# EAGLE board Mk4 Final Panel 8up 4x2 (EAGLE 9.0.1), part 12 of 23
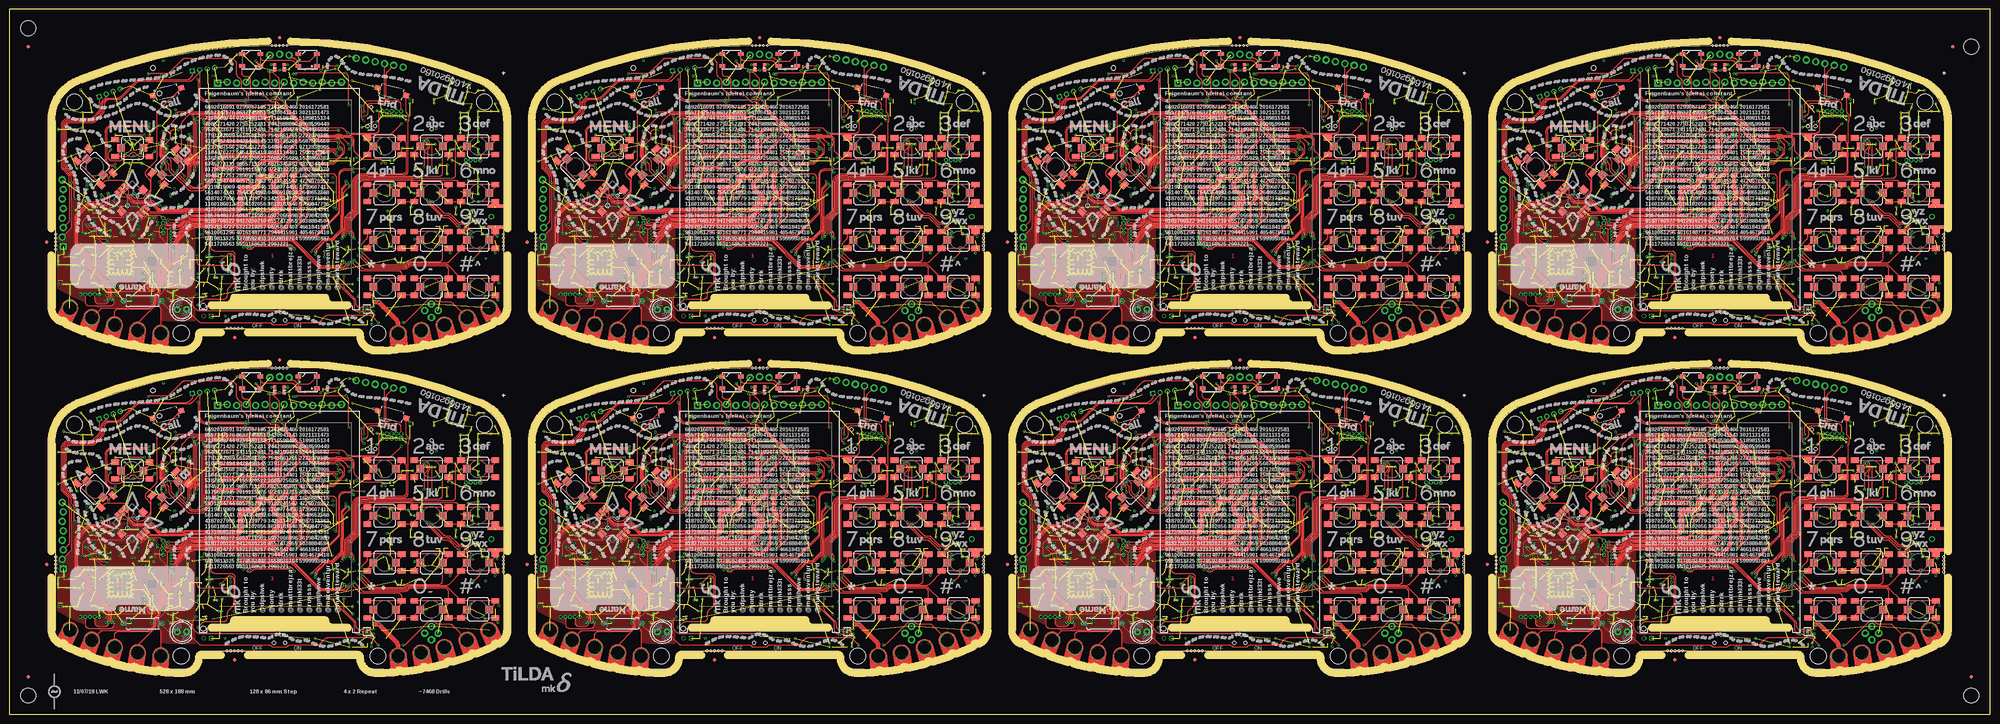
[diagram p0: board, top side]
## Tracks (layer width: path | path; a pad name or v marks a point on that pad's centre or on a via) (continued)
GND4  (via drill 0.3)  (433 unrouted) (continued)
  Top 0.3: S91.1 363.95,38.95 S91.A1 | S87.A1 351.45,38.95 S87.1 v353,39 | S88.A1 351.45,26 351.7,25.75 v353,25.75 S88.1 | S96.1 376.45,26.45 S96.A1 | S95.1 385.55,42.05 S95.A1 | 376.45,63.5 376.45,63.95 S93.1 v379.5,65.5 | 376.45,63.5 S93.A1 | S89.A1 363.95,63.95 S89.1 366,66 v367,66 | S85.A1 351.45,63.95 S85.1 354.25,65.5 v354.5,65.25 | S86.A1 351.45,51.45 S86.1 v354.5,53 | 363.95,51 363.95,51.45 S90.1 v364.05,53 | 363.95,51 S90.A1 | S85.A2 360.55,64.8 v360.75,65 | 376.2,63.25 376.45,63.5 | S94.A2 v381,50.75 | v379.5,53 S94.1 376.45,51.45 S94.A1 S90.A2 | 360.5,38.3 S87.A2 358.5,38.25 v358,38.75 | S91.1 365,41 | S96.A2 385.5,25.75 385.5,25.25 v386.25,24.5 | S92.A2 S96.A1 | v367,28 S92.1 363.95,26.45 S92.A1 S88.A2 | S86.A2 363.7,50.75 363.95,51 | S101.1 353.49,81.01 v353,81.5 | LED27.C v328.02,85.75 LED28.C | LED25.3 317.95,90 v316.75,90 | S93.A2 381.91,63.25 arc-45 381.21,63.54 v381,63.75 | 283.61,58.39 S98.A1 282.5,57.27 v282.5,57 281.62,57.88 S98.1 | S98.A2 277.57,65.21 arc-45 278.28,65.5 v278.5,65.5 | S96.A1 v378,25.75 | S89.A2 373.05,62.7 v374,61.75 | S91.1 365.25,40.75 v364,40.75 | S91.A2 373.5,37.8 v373.5,37 | S99.A2 v284.25,68.5 | S99.1 293.35,66.55 S99.A1 v293.35,68.5 | S100.1 294.5,78.72 v294.5,77.75 | S97.A1 296.81,55.19 v296,56 296.68,56.68 S97.1 | v302.5,60.5 303.61,61.61 S97.A2 | LED26.3 333.05,89.36 arc45 333.34,88.66 v333.4,88.6 | S95.A2 377.5,43.8 v377.5,44 | S95.A1 385.55,41.95 v386,41.5 | S95.A1 385.54,42.77 J49.G@4
  Top 0.4: S94.A2 385.54,50.73 J49.G@3
  GND@3 0.4: v290.45,40.85 287.8,38.2 v287.8,37.85 | v285.5,43.5 284.75,42.75 284.75,38.6 v285.5,37.85 | v283,43.1 283.75,42.35 283.75,38.4 v284.3,37.85
  Bottom 0.15: J41.32 324.75,50.25 | J41.31 325.25,50 | J41.30 325.75,50 | J41.29 326.25,50 | J41.28 326.75,50 | J41.27 327.25,50 | J41.26 327.75,50 | J41.25 328.25,50 | J41.24 328.75,50 | J41.23 329.25,50 | J41.22 329.75,50 | J41.21 330.25,50 | J41.20 330.75,50 | J41.19 331.25,50 | J41.18 331.75,50 | J41.17 332.25,50 | J41.16 332.75,50 | J41.15 333.25,50 | J41.14 333.75,50 | J41.13 334.25,50 | J41.12 334.75,50 | J41.11 335.25,50 | IC74.58 v321.6,68.8 | IC74.55 v321.6,67.6 | IC77.3 343.05,86 v342.85,86.2 | ANT10.3 374.79,83.9 v374.15,83.9 | v373.7,82.75 373.8,82.65 373.94,82.65 373.84,82.75 v373.7,82.75 | ANT10.2 374.05,82.4 v373.7,82.75 | ANT10.4 378.28,82.2 v378.75,82.2 | IC83.PAD v286.1,35.1 | IC83.PAD v284.9,35.1 | IC83.PAD v284.9,33.9 | IC83.PAD v286.1,33.9 | v284.9,36.3 285.5,36.9 v285.5,37.85 | v284.3,37.85 284.3,36.9 v283.7,36.3 283.75,36.35 | v287.3,36.3 287.3,37.35 v287.8,37.85 | v343.5,30.75 C534.2 344,31.5 arc90 344.5,32 344.5,32.5 arc90 344,33 IC86.2 343.46,33 arc45 343.1,32.85 342.9,32.65 arc-45 342.54,32.5 IC86.4 | C536.2 352.45,22.5 | v369.25,78 C485.2 | C488.2 v369.25,77 | C486.2 v362.75,78 | C484.2 v362.75,77 | v286.55,67.4 286.25,67.7 R389.2
  Bottom 0.2: C447.1 330.6,55.85 IC74.10 | IC74.17 327.8,56.01 arc-45 327.65,55.65 C446.1 v327.5,54.75 | IC74.48 319.46,64.8 arc-45 C444.1 | IC74.114 336.74,64.4 arc45 337.44,64.69 C443.1 | IC74.80 327.8,74.05 327.98,74.22 | X20.4 275.88,33.42 275.7,33.6 v274.9,33.6 | X20.2 277.73,29.07 v277.8,29 | IC85.23 343.8,38.75 arc-45 343.66,38.81 343.25,39.22 arc-90 343.25,39.25 | 343.25,39.25 v343.25,39.5 | IC85.24 343.25,39.25 | IC85.18 345,35.25 v344.75,35 | IC85.9 v349.25,38.25 | IC78.17 308.5,33.5 v308,33 IC78.18 | J44.GND4 379,28.05 | 352.45,22.5 arc45 v353.05,22.75 | v293.3,69.5 C538.2 | IC80.4 349.98,69.72 C503.1
  Bottom 0.25: J41.50 315.75,49.45 v316.25,49.95 | J41.49 v316.25,49.95 | J41.48 316.75,49.45 v316.25,49.95 | J41.43 319.25,50 | J41.6 v337.75,47.5 | v330,52.75 330,53.62 C448.1 330.25,54.12 C447.1 | v318,65.1 C444.1 | v338.25,64.75 C443.1 | v328,75 C445.1 327.98,74.22 | C442.1 C450.1 v329,76.45 | v317,69.25 R321.2 | C449.1 327.05,76.25 v327.65,75.65 | v337.5,20.25 S103.1 | v313.5,20.25 S104.1 | C453.1 v324.7,75 | C452.1 v320.1,75 | v333.5,76.45 C451.1 | R383.2 v287.25,27.75 | v289.35,65.95 IC82.PAD v288.8,65.5 | C468.2 300.88,27.23 | v347.45,83 C439.1 | v330.5,86 C437.1
  Bottom 0.3: 339.45,86.3 v340.15,85.6 | v294,39 R382.2 | v276.25,42.25 C511.1 | v278.5,43 278.62,42.88 C516.2 | v358.5,55.25 C494.2 | v357.5,55.25 C491.2 | v358.5,61.75 C490.2 | C492.2 v357.5,61.75 | IC75.8 362.1,54.65 v362.25,54.5 | R356.2 v356.75,52.25 | R348.2 v356.75,46.25 | R355.2 v356.75,48.25 | IC75.13 364.1,60.65 v364.25,60.5 | IC75.21 372.9,60.65 v372.75,60.5 | Q19.2 356.65,42.15 R346.2 v355.75,42 | C503.1 v350,70.5 | v354,72 353.91,72.09 JP37.5 | C496.1 v361.75,73.5 | IC81.7 355.19,61.81 R367.1 v355.25,61 | v363.5,65 C481.1 | v367,66 366.5,65.5 C480.1 | C479.1 v369.5,66 | J44.GND3 373.21,38.06 arc-45 373.5,37.36 v373.5,37 | 385.38,40.5 J44.GND2 385.5,40.59 arc-45 385.79,41.29 v386,41.5 | 386.17,38 J44.C4 385.79,37.74 arc45 385.5,37.04 v385.5,37 | v386.5,29 386.38,29 J44.GND1 | v371.25,26.25 R371.2 372.93,26.25 Q18.2 | C482.1 v382.75,25.5 | J44.C5 378.85,29.65 v379,29.5 379,28.05 | v371,29.5 371.23,29.27 372.25,29.27 J44.GND6 | C436.1 v338.25,59 | C441.1 v341,62.25 | C440.1 v341,63.5 | Q17.4 Q17.EP2 | C462.1 v313.5,54.25 | IC73.28 299.07,54.25 v300,54.25 | C458.1 v296,66.25 | IC73.46 300.2,68.7 v300.25,68.75 | C461.1 v296,71 | IC73.54 299.89,75.1 arc45 v300.25,75.25 | IC73.52 v300.25,73.5 | C460.1 v312.75,75.75 | C456.1 v313.5,73.5 | IC73.6 309.4,71.1 v309.25,71.25 | C457.1 v313.5,68.75 | C459.1 v313.5,64.75 | R331.1 v315,35.25 | R333.2 v315,36.25 | R335.2 310.15,41.5 arc45 v310.75,41.75 | v294,52 C477.1 | v294.75,52 294.75,51.5 C477.1 | v293.25,52 293.25,51.5 C477.1 | IC73.12 309.3,66.3 v309.25,66.25 | R375.2 v277.25,48.45 | R376.2 v278.25,48.45 | R363.2 v347,60.5 | v288.05,60.95 C509.2 | v370.75,60.5 370.7,60.55 IC75.19 370.7,63.2 v370.75,63.25 | R373.2 297.95,27.5 v298.2,27.75
  Bottom 0.3: IC85.25 v345.5,38 | v328.6,78.55 328.68,78.55 X18.4 | X18.2 332.82,78.55 v332.95,78.55 | v344.5,87.5 C454.1 | v346.6,89.5 R325.2 | C438.1 v338.75,80.5 | C495.1 v345.9,62.45 | J46.8 J46.4 | J48.8 J48.4 | IC73.41 298.05,64.7 v298,64.75 | J44.GND5 379.11,40.91 v379.5,41.3 378.94,41.3 arc-45 378.23,41.59 IC79.3 | IC75.33 375.3,46.95 v375,47.25 | v379.45,51.6 C497.1 | v378.7,46.5 D10.2 | v378.7,47.5 C498.1 | v273.75,36.75 C501.1 | v270.5,36.75 C502.1 | 294.55,42.8 C519.2 293.95,42.8 | IC89.2 v352.6,19 | C539.2 v346.6,18 | IC89.3 v352.6,18 | v375,49.25 375.1,49.15 IC75.31
  Bottom 0.35: v294.55,42 294.55,42.8 | v293.95,42 293.95,42.8
  Bottom 0.4: C521.2 290.1,40.5 v290.45,40.85 | v293.25,39.5 C515.2 | v294,37.75 C527.2 | C517.2 290.12,45.62 v290.25,45.5 | C517.2 v289.25,46.75 | v288,46.75 C518.2 C517.2 | C522.2 284.9,42.9 v285.5,43.5 285.4,43.4 | C520.2 v283,43.1 | v281.5,43.4 282.1,42.8 C514.2 | v296.5,34.25 C532.1 | v296.5,35.25 C533.1 | v294.25,30.75 C528.2 | C524.2 v292,33 | C510.1 v283.75,49.25 | C530.1 v278.95,33.5 | C526.2 v278.25,34.25 | C512.2 v278.25,35.25 | C531.1 v278.95,29 | R374.2 v280,27.5 | R377.2 v281,27.5 | R384.2 v282,25.75 | C529.2 v285,25.75 | C523.2 v284,25.75 | v294.5,40.75 C525.2 293.4,41.64 arc45 v293.25,42 | IC84.4 277.12,54.16 arc45 v276.75,54 | v294.25,28.75 R341.2 | v341.5,38.5 C455.1 | v306.25,30.5 306.85,30.5 C475.2 306.85,31.5 v306.25,31.5 | S102.2 327.4,21 v328.25,21 | Q17.EP2 342.4,49.35 v342.5,49.25 | v342.5,53.25 v342.5,53.24 IC76.4 | 304.75,40.75 C476.2 304.38,40.25 v303.5,40.25 | 304.62,41 v303.5,41 | C472.2 303.6,39.4 v303.5,39.5 | v303.25,37.25 303.25,36.33 C473.1 | 269,33.6 v269,33.75 ANT9.4 | ANT9.3 v269,28.75 | ANT9.2 270.25,29.7 v270.25,28.75 | C478.1 v294,25 | C478.1 293.5,25.75 v294,25.75 | C478.1 293.5,24.25 v294,24.25 | J47.4 296.94,83.81 v296.5,84.25 | C435.2 321.88,86.62 v321.75,86.75 | IC90.3 355.26,20.15 arc-45 354.56,20.44 C540.2 353.68,20.68 arc-45 v353.25,20.5 | TP93.TP 299.75,32.1 v299.6,31.95
  Bottom 0.5: v280.35,48.05 280.35,47.5 C513.2 279.35,47.5 v279.35,48.05
  Bottom 1: J42.1 349.05,26.8 C470.2 | C470.2 347.6,26.85 v347.5,26.75 | C470.2 v349,25.5 | v314.35,32 C471.2 312.65,30.85 v312.75,30.75
  other vias: 325.25,50.25 334.75,50.25 318.9,53.15 288.8,66.4 288.25,65.95 378.7,60.1 378.35,56.35 378,80 377.5,78.5 377,77 375.5,77 374,77.5 373,77.75 372.25,79 372.75,80.25 373.25,81.75 283.7,35.1 283.7,33.9 283.7,32.7 284.9,32.7 286.1,32.7 287.3,32.7 287.3,33.9 287.3,35.1 286.1,36.3 279,39.25 279,36.35 275,31.2 274.25,28.75 273.25,28.75 272.25,28.75 271.25,28.75 274,33.75 273,33.75 272,33.75 271.2,33.75 347,38 346.25,38.75 346.25,37.25 357.25,39.5 357.25,38.75 382,42 381,52.75 381,54.65 381,56.75 381,58.75 381,64.75 381,66.75 381,68.75 381,73.25 381,74.85 384.4,74.85 386.4,74.85 309.25,36 310,36 309.25,36.75 309.25,35.25 308.5,36 291.3,60.95 286.55,60.95 286.55,63.45 291.05,63.55 291.05,67.45 299.7,26.85 299.7,26.35 299.7,25.35 299.7,25.85 298.9,24.25 299.6,24.25 298.6,31.95 298.5,30.95 298.5,28.75 298.5,29.55 282.75,35.1 282.75,33.9 282.75,32.7 282.75,36.3 288.25,35.1 288.25,33.9 288.25,32.7 288.25,36.3 283.7,31.75 284.9,31.75 286.1,31.75 287.3,31.75 283.7,37.25 284.9,37.25 286.1,37.25 287.3,37.25 288.25,31.75 288.25,37.25 282.75,37.25 282.75,31.75 286.7,37.85 283.2,37.85 282.15,37.85 282.15,36.8 285.5,31.15 286.7,31.15 287.9,31.15 284.3,31.15 283.2,31.15 288.85,34.45 288.85,33.25 288.85,32.05 288.85,35.65 282.15,34.5 282.15,33.3 282.15,32.2 282.15,35.7 288.85,36.75 288.85,37.85 288.85,31.15 282.15,31.15 382.7,44 381.7,44 383.5,42 378,50.2 272.5,70 272.5,63 275.5,70.5 275.5,74.5 278,74.5 275,80.5 270.5,75.5 269,70 269,61.5 274,59.5 275.25,50.25 269,36.5 366,47.25 363,47.25 363,49.25 363,53.25 370,53.25 372.7,58.1 370,58.75 376,60.75 379.5,45.5 379.25,48.5 381,70.25 381,71.75 379,75.85 381,80.35 385.5,76.85 382.5,80.35 377.85,46.95 381,45.5 274.6,36.95 275.35,34.45 275.85,34.95 278,36.7 277,38.7 278,38.7 276.1,38.6 378.25,74.5 376.25,74.5 378.25,73 376.25,73 378.25,71.5 376.25,71.5 378.25,70 376.25,70 378.25,68.5 376.25,69 374.75,67 374.25,64.75 373.5,64.5 375.75,65 376.5,65.25 378,67 273.75,48.5 272,36.15 269,34.85 366,58.25 366,54.5 366,55.9
  pour GND@3 (isolate 0.254, rank 6): 268.2,74.5 268.2,21 arc31 300,12 302.7,12 arc90 305.5,14.8 arc-90 307.5,16.8 348.5,16.8 arc-90 350.5,14.8 arc90 353.3,12 356,12 arc31 387.8,21 387.8,44.5 381.5,44.5 381.5,74.5 387.8,74.5 arc64 381.25,82.25 arc24 328,92.5 arc24 274.75,82.25 arc55
  pour Bottom (rank 6): 335.25,48.9 335.25,50.25 335,50.5 325,50.5 324.75,50.25 324.75,48.9
  pour Bottom (isolate 0.254, rank 6): 268.2,74.5 268.2,28 arc9 279,23 279,35 281,35 281,41 279,41 279,43 arc90 278,44 277,44 arc-90 276,45 276,65.71 arc-90 288.79,78.5 296.5,78.5 300,82 358.5,81.5 arc-90 361,79 361,44.5 372.09,44.5 arc-45 372.79,44.21 375.21,41.79 arc45 375.91,41.5 387.8,41.5 387.8,44.5 381.5,44.5 381.5,74.5 387.8,74.5 arc64 381.25,82.25 arc24 328,92.5 arc24 274.75,82.25 arc55
  pour Bottom (rank 2, no thermals): 369.5,45 371,45 371,42.5 370.41,42.5 arc45 369.71,42.21 369.29,41.79 arc45 369,41.09 369,39 arc-90 368,38 357.5,38 arc-90 356.5,39 arc-90 357.5,40 365.75,40 arc90 366.75,41 366.75,41.09 arc-45 367.04,41.79 367.71,42.46 arc-45 368.41,42.75 368.59,42.75 arc45 369.29,43.04 369.5,43.25
  pour Bottom (no thermals): 319.5,51.5 319.5,50.2 319.3,50 319.2,50 319,50.2 319,51.25 318.5,51.75 318.5,53.3 318.7,53.5 319.05,53.5 319.25,53.3 319.25,51.75
  pour Bottom: 291.55,60.95 291.55,66.95 arc90 290.55,67.95 287.05,67.95 arc90 286.05,66.95 286.05,60.95 arc90 287.05,59.95 290.55,59.95 arc90
  pour Bottom (no thermals): 305.4,39 305.4,40.1 305.2,40.3 305.2,41.05 305,41.25 303.75,41.25 303.25,40.75 303.25,39.25 303.5,39
  pour Bottom (no thermals): 299.9,26.8 299.9,24.3 arc-90 299.4,23.8 298.45,23.8 arc-90 297.95,24.3 297.95,31.65 arc-90 298.45,32.15 299.55,32.15 arc-90 300.05,31.65 300.05,28.1 arc90 300.55,27.6 301.8,27.6 301.85,27.55 301.85,26.9 301.75,26.8
  pour Top (rank 6): 268.2,51 268.2,28 arc34 305,19 305.5,19 305.5,51
GND5  (via drill 0.3)  (433 unrouted)
  Top 0.15: IC106.3 480.3,22.65 480.25,22.6 IC106.2 | v479.3,21.5 IC106.PAD v479.3,22.5
  Top 0.2: 480.3,22.65 480.95,22.65 v481.05,22.75
  Top 0.3: S112.1 491.95,38.95 S112.A1 | S108.A1 479.45,38.95 S108.1 v481,39 | S109.A1 479.45,26 479.7,25.75 v481,25.75 S109.1 | S117.1 504.45,26.45 S117.A1 | S116.1 513.55,42.05 S116.A1 | 504.45,63.5 504.45,63.95 S114.1 v507.5,65.5 | 504.45,63.5 S114.A1 | S110.A1 491.95,63.95 S110.1 494,66 v495,66 | S106.A1 479.45,63.95 S106.1 482.25,65.5 v482.5,65.25 | S107.A1 479.45,51.45 S107.1 v482.5,53 | 491.95,51 491.95,51.45 S111.1 v492.05,53 | 491.95,51 S111.A1 | S106.A2 488.55,64.8 v488.75,65 | 504.2,63.25 504.45,63.5 | S115.A2 v509,50.75 | v507.5,53 S115.1 504.45,51.45 S115.A1 S111.A2 | 488.5,38.3 S108.A2 486.5,38.25 v486,38.75 | S112.1 493,41 | S117.A2 513.5,25.75 513.5,25.25 v514.25,24.5 | S113.A2 S117.A1 | v495,28 S113.1 491.95,26.45 S113.A1 S109.A2 | S107.A2 491.7,50.75 491.95,51 | S122.1 481.49,81.01 v481,81.5 | LED33.C v456.02,85.75 LED34.C | LED31.3 445.95,90 v444.75,90 | S114.A2 509.91,63.25 arc-45 509.21,63.54 v509,63.75 | 411.61,58.39 S119.A1 410.5,57.27 v410.5,57 409.62,57.88 S119.1 | S119.A2 405.57,65.21 arc-45 406.28,65.5 v406.5,65.5 | S117.A1 v506,25.75 | S110.A2 501.05,62.7 v502,61.75 | S112.1 493.25,40.75 v492,40.75 | S112.A2 501.5,37.8 v501.5,37 | S120.A2 v412.25,68.5 | S120.1 421.35,66.55 S120.A1 v421.35,68.5 | S121.1 422.5,78.72 v422.5,77.75 | S118.A1 424.81,55.19 v424,56 424.68,56.68 S118.1 | v430.5,60.5 431.61,61.61 S118.A2 | LED32.3 461.05,89.36 arc45 461.34,88.66 v461.4,88.6 | S116.A2 505.5,43.8 v505.5,44 | S116.A1 513.55,41.95 v514,41.5 | S116.A1 513.54,42.77 J59.G@4
  Top 0.4: S115.A2 513.54,50.73 J59.G@3
  GND@3 0.4: v418.45,40.85 415.8,38.2 v415.8,37.85 | v413.5,43.5 412.75,42.75 412.75,38.6 v413.5,37.85 | v411,43.1 411.75,42.35 411.75,38.4 v412.3,37.85
  Bottom 0.15: J51.32 452.75,50.25 | J51.31 453.25,50 | J51.30 453.75,50 | J51.29 454.25,50 | J51.28 454.75,50 | J51.27 455.25,50 | J51.26 455.75,50 | J51.25 456.25,50 | J51.24 456.75,50 | J51.23 457.25,50 | J51.22 457.75,50 | J51.21 458.25,50 | J51.20 458.75,50 | J51.19 459.25,50 | J51.18 459.75,50 | J51.17 460.25,50 | J51.16 460.75,50 | J51.15 461.25,50 | J51.14 461.75,50 | J51.13 462.25,50 | J51.12 462.75,50 | J51.11 463.25,50 | IC92.58 v449.6,68.8 | IC92.55 v449.6,67.6 | IC95.3 471.05,86 v470.85,86.2 | ANT12.3 502.79,83.9 v502.15,83.9 | v501.7,82.75 501.8,82.65 501.94,82.65 501.84,82.75 v501.7,82.75 | ANT12.2 502.05,82.4 v501.7,82.75 | ANT12.4 506.28,82.2 v506.75,82.2 | IC101.PAD v414.1,35.1 | IC101.PAD v412.9,35.1 | IC101.PAD v412.9,33.9 | IC101.PAD v414.1,33.9 | v412.9,36.3 413.5,36.9 v413.5,37.85 | v412.3,37.85 412.3,36.9 v411.7,36.3 411.75,36.35 | v415.3,36.3 415.3,37.35 v415.8,37.85 | v471.5,30.75 C642.2 472,31.5 arc90 472.5,32 472.5,32.5 arc90 472,33 IC104.2 471.46,33 arc45 471.1,32.85 470.9,32.65 arc-45 470.54,32.5 IC104.4 | C644.2 480.45,22.5 | v497.25,78 C593.2 | C596.2 v497.25,77 | C594.2 v490.75,78 | C592.2 v490.75,77 | v414.55,67.4 414.25,67.7 R467.2
  Bottom 0.2: C555.1 458.6,55.85 IC92.10 | IC92.17 455.8,56.01 arc-45 455.65,55.65 C554.1 v455.5,54.75 | IC92.48 447.46,64.8 arc-45 C552.1 | IC92.114 464.74,64.4 arc45 465.44,64.69 C551.1 | IC92.80 455.8,74.05 455.98,74.22 | X24.4 403.88,33.42 403.7,33.6 v402.9,33.6 | X24.2 405.73,29.07 v405.8,29 | IC103.23 471.8,38.75 arc-45 471.66,38.81 471.25,39.22 arc-90 471.25,39.25 | 471.25,39.25 v471.25,39.5 | IC103.24 471.25,39.25 | IC103.18 473,35.25 v472.75,35 | IC103.9 v477.25,38.25 | IC96.17 436.5,33.5 v436,33 IC96.18 | J54.GND4 507,28.05 | 480.45,22.5 arc45 v481.05,22.75 | v421.3,69.5 C646.2 | IC98.4 477.98,69.72 C611.1
  Bottom 0.25: J51.50 443.75,49.45 v444.25,49.95 | J51.49 v444.25,49.95 | J51.48 444.75,49.45 v444.25,49.95 | J51.43 447.25,50 | J51.6 v465.75,47.5 | v458,52.75 458,53.62 C556.1 458.25,54.12 C555.1 | v446,65.1 C552.1 | v466.25,64.75 C551.1 | v456,75 C553.1 455.98,74.22 | C550.1 C558.1 v457,76.45 | v445,69.25 R399.2 | C557.1 455.05,76.25 v455.65,75.65 | v465.5,20.25 S124.1 | v441.5,20.25 S125.1 | C561.1 v452.7,75 | C560.1 v448.1,75 | v461.5,76.45 C559.1 | R461.2 v415.25,27.75 | v417.35,65.95 IC100.PAD v416.8,65.5 | C576.2 428.88,27.23 | v475.45,83 C547.1 | v458.5,86 C545.1
  Bottom 0.3: 467.45,86.3 v468.15,85.6 | v422,39 R460.2 | v404.25,42.25 C619.1 | v406.5,43 406.62,42.88 C624.2 | v486.5,55.25 C602.2 | v485.5,55.25 C599.2 | v486.5,61.75 C598.2 | C600.2 v485.5,61.75 | IC93.8 490.1,54.65 v490.25,54.5 | R434.2 v484.75,52.25 | R426.2 v484.75,46.25 | R433.2 v484.75,48.25 | IC93.13 492.1,60.65 v492.25,60.5 | IC93.21 500.9,60.65 v500.75,60.5 | Q23.2 484.65,42.15 R424.2 v483.75,42 | C611.1 v478,70.5 | v482,72 481.91,72.09 JP46.5 | C604.1 v489.75,73.5 | IC99.7 483.19,61.81 R445.1 v483.25,61 | v491.5,65 C589.1 | v495,66 494.5,65.5 C588.1 | C587.1 v497.5,66 | J54.GND3 501.21,38.06 arc-45 501.5,37.36 v501.5,37 | 513.38,40.5 J54.GND2 513.5,40.59 arc-45 513.79,41.29 v514,41.5 | 514.17,38 J54.C4 513.79,37.74 arc45 513.5,37.04 v513.5,37 | v514.5,29 514.38,29 J54.GND1 | v499.25,26.25 R449.2 500.93,26.25 Q22.2 | C590.1 v510.75,25.5 | J54.C5 506.85,29.65 v507,29.5 507,28.05 | v499,29.5 499.23,29.27 500.25,29.27 J54.GND6 | C544.1 v466.25,59 | C549.1 v469,62.25 | C548.1 v469,63.5 | Q21.4 Q21.EP2 | C570.1 v441.5,54.25 | IC91.28 427.07,54.25 v428,54.25 | C566.1 v424,66.25 | IC91.46 428.2,68.7 v428.25,68.75 | C569.1 v424,71 | IC91.54 427.89,75.1 arc45 v428.25,75.25 | IC91.52 v428.25,73.5 | C568.1 v440.75,75.75 | C564.1 v441.5,73.5 | IC91.6 437.4,71.1 v437.25,71.25 | C565.1 v441.5,68.75 | C567.1 v441.5,64.75 | R409.1 v443,35.25 | R411.2 v443,36.25 | R413.2 438.15,41.5 arc45 v438.75,41.75 | v422,52 C585.1 | v422.75,52 422.75,51.5 C585.1 | v421.25,52 421.25,51.5 C585.1 | IC91.12 437.3,66.3 v437.25,66.25 | R453.2 v405.25,48.45 | R454.2 v406.25,48.45 | R441.2 v475,60.5 | v416.05,60.95 C617.2 | v498.75,60.5 498.7,60.55 IC93.19 498.7,63.2 v498.75,63.25 | R451.2 425.95,27.5 v426.2,27.75
  Bottom 0.3: IC103.25 v473.5,38 | v456.6,78.55 456.68,78.55 X22.4 | X22.2 460.82,78.55 v460.95,78.55 | v472.5,87.5 C562.1 | v474.6,89.5 R403.2 | C546.1 v466.75,80.5 | C603.1 v473.9,62.45 | J56.8 J56.4 | J58.8 J58.4 | IC91.41 426.05,64.7 v426,64.75 | J54.GND5 507.11,40.91 v507.5,41.3 506.94,41.3 arc-45 506.23,41.59 IC97.3 | IC93.33 503.3,46.95 v503,47.25 | v507.45,51.6 C605.1 | v506.7,46.5 D12.2 | v506.7,47.5 C606.1 | v401.75,36.75 C609.1 | v398.5,36.75 C610.1 | 422.55,42.8 C627.2 421.95,42.8 | IC107.2 v480.6,19 | C647.2 v474.6,18 | IC107.3 v480.6,18 | v503,49.25 503.1,49.15 IC93.31
  Bottom 0.35: v422.55,42 422.55,42.8 | v421.95,42 421.95,42.8
  Bottom 0.4: C629.2 418.1,40.5 v418.45,40.85 | v421.25,39.5 C623.2 | v422,37.75 C635.2 | C625.2 418.12,45.62 v418.25,45.5 | C625.2 v417.25,46.75 | v416,46.75 C626.2 C625.2 | C630.2 412.9,42.9 v413.5,43.5 413.4,43.4 | C628.2 v411,43.1 | v409.5,43.4 410.1,42.8 C622.2 | v424.5,34.25 C640.1 | v424.5,35.25 C641.1 | v422.25,30.75 C636.2 | C632.2 v420,33 | C618.1 v411.75,49.25 | C638.1 v406.95,33.5 | C634.2 v406.25,34.25 | C620.2 v406.25,35.25 | C639.1 v406.95,29 | R452.2 v408,27.5 | R455.2 v409,27.5 | R462.2 v410,25.75 | C637.2 v413,25.75 | C631.2 v412,25.75 | v422.5,40.75 C633.2 421.4,41.64 arc45 v421.25,42 | IC102.4 405.12,54.16 arc45 v404.75,54 | v422.25,28.75 R419.2 | v469.5,38.5 C563.1 | v434.25,30.5 434.85,30.5 C583.2 434.85,31.5 v434.25,31.5 | S123.2 455.4,21 v456.25,21 | Q21.EP2 470.4,49.35 v470.5,49.25 | v470.5,53.25 v470.5,53.24 IC94.4 | 432.75,40.75 C584.2 432.38,40.25 v431.5,40.25 | 432.62,41 v431.5,41 | C580.2 431.6,39.4 v431.5,39.5 | v431.25,37.25 431.25,36.33 C581.1 | 397,33.6 v397,33.75 ANT11.4 | ANT11.3 v397,28.75 | ANT11.2 398.25,29.7 v398.25,28.75 | C586.1 v422,25 | C586.1 421.5,25.75 v422,25.75 | C586.1 421.5,24.25 v422,24.25 | J57.4 424.94,83.81 v424.5,84.25 | C543.2 449.88,86.62 v449.75,86.75 | IC108.3 483.26,20.15 arc-45 482.56,20.44 C648.2 481.68,20.68 arc-45 v481.25,20.5 | TP112.TP 427.75,32.1 v427.6,31.95
  Bottom 0.5: v408.35,48.05 408.35,47.5 C621.2 407.35,47.5 v407.35,48.05
  Bottom 1: J52.1 477.05,26.8 C578.2 | C578.2 475.6,26.85 v475.5,26.75 | C578.2 v477,25.5 | v442.35,32 C579.2 440.65,30.85 v440.75,30.75
  other vias: 453.25,50.25 462.75,50.25 446.9,53.15 416.8,66.4 416.25,65.95 506.7,60.1 506.35,56.35 506,80 505.5,78.5 505,77 503.5,77 502,77.5 501,77.75 500.25,79 500.75,80.25 501.25,81.75 411.7,35.1 411.7,33.9 411.7,32.7 412.9,32.7 414.1,32.7 415.3,32.7 415.3,33.9 415.3,35.1 414.1,36.3 407,39.25 407,36.35 403,31.2 402.25,28.75 401.25,28.75 400.25,28.75 399.25,28.75 402,33.75 401,33.75 400,33.75 399.2,33.75 475,38 474.25,38.75 474.25,37.25 485.25,39.5 485.25,38.75 510,42 509,52.75 509,54.65 509,56.75 509,58.75 509,64.75 509,66.75 509,68.75 509,73.25 509,74.85 512.4,74.85 514.4,74.85 437.25,36 438,36 437.25,36.75 437.25,35.25 436.5,36 419.3,60.95 414.55,60.95 414.55,63.45 419.05,63.55 419.05,67.45 427.7,26.85 427.7,26.35 427.7,25.35 427.7,25.85 426.9,24.25 427.6,24.25 426.6,31.95 426.5,30.95 426.5,28.75 426.5,29.55 410.75,35.1 410.75,33.9 410.75,32.7 410.75,36.3 416.25,35.1 416.25,33.9 416.25,32.7 416.25,36.3 411.7,31.75 412.9,31.75 414.1,31.75 415.3,31.75 411.7,37.25 412.9,37.25 414.1,37.25 415.3,37.25 416.25,31.75 416.25,37.25 410.75,37.25 410.75,31.75 414.7,37.85 411.2,37.85 410.15,37.85 410.15,36.8 413.5,31.15 414.7,31.15 415.9,31.15 412.3,31.15 411.2,31.15 416.85,34.45 416.85,33.25 416.85,32.05 416.85,35.65 410.15,34.5 410.15,33.3 410.15,32.2 410.15,35.7 416.85,36.75 416.85,37.85 416.85,31.15 410.15,31.15 510.7,44 509.7,44 511.5,42 506,50.2 400.5,70 400.5,63 403.5,70.5 403.5,74.5 406,74.5 403,80.5 398.5,75.5 397,70 397,61.5 402,59.5 403.25,50.25 397,36.5 494,47.25 491,47.25 491,49.25 491,53.25 498,53.25 500.7,58.1 498,58.75 504,60.75 507.5,45.5 507.25,48.5 509,70.25 509,71.75 507,75.85 509,80.35 513.5,76.85 510.5,80.35 505.85,46.95 509,45.5 402.6,36.95 403.35,34.45 403.85,34.95 406,36.7 405,38.7 406,38.7 404.1,38.6 506.25,74.5 504.25,74.5 506.25,73 504.25,73 506.25,71.5 504.25,71.5 506.25,70 504.25,70 506.25,68.5 504.25,69 502.75,67 502.25,64.75 501.5,64.5 503.75,65 504.5,65.25 506,67 401.75,48.5 400,36.15 397,34.85 494,58.25 494,54.5 494,55.9
  pour GND@3 (isolate 0.254, rank 6): 396.2,74.5 396.2,21 arc31 428,12 430.7,12 arc90 433.5,14.8 arc-90 435.5,16.8 476.5,16.8 arc-90 478.5,14.8 arc90 481.3,12 484,12 arc31 515.8,21 515.8,44.5 509.5,44.5 509.5,74.5 515.8,74.5 arc64 509.25,82.25 arc24 456,92.5 arc24 402.75,82.25 arc55
  pour Bottom (rank 6): 463.25,48.9 463.25,50.25 463,50.5 453,50.5 452.75,50.25 452.75,48.9
  pour Bottom (isolate 0.254, rank 6): 396.2,74.5 396.2,28 arc9 407,23 407,35 409,35 409,41 407,41 407,43 arc90 406,44 405,44 arc-90 404,45 404,65.71 arc-90 416.79,78.5 424.5,78.5 428,82 486.5,81.5 arc-90 489,79 489,44.5 500.09,44.5 arc-45 500.79,44.21 503.21,41.79 arc45 503.91,41.5 515.8,41.5 515.8,44.5 509.5,44.5 509.5,74.5 515.8,74.5 arc64 509.25,82.25 arc24 456,92.5 arc24 402.75,82.25 arc55
  pour Bottom (rank 2, no thermals): 497.5,45 499,45 499,42.5 498.41,42.5 arc45 497.71,42.21 497.29,41.79 arc45 497,41.09 497,39 arc-90 496,38 485.5,38 arc-90 484.5,39 arc-90 485.5,40 493.75,40 arc90 494.75,41 494.75,41.09 arc-45 495.04,41.79 495.71,42.46 arc-45 496.41,42.75 496.59,42.75 arc45 497.29,43.04 497.5,43.25
  pour Bottom (no thermals): 447.5,51.5 447.5,50.2 447.3,50 447.2,50 447,50.2 447,51.25 446.5,51.75 446.5,53.3 446.7,53.5 447.05,53.5 447.25,53.3 447.25,51.75
  pour Bottom: 419.55,60.95 419.55,66.95 arc90 418.55,67.95 415.05,67.95 arc90 414.05,66.95 414.05,60.95 arc90 415.05,59.95 418.55,59.95 arc90
  pour Bottom (no thermals): 433.4,39 433.4,40.1 433.2,40.3 433.2,41.05 433,41.25 431.75,41.25 431.25,40.75 431.25,39.25 431.5,39
  pour Bottom (no thermals): 427.9,26.8 427.9,24.3 arc-90 427.4,23.8 426.45,23.8 arc-90 425.95,24.3 425.95,31.65 arc-90 426.45,32.15 427.55,32.15 arc-90 428.05,31.65 428.05,28.1 arc90 428.55,27.6 429.8,27.6 429.85,27.55 429.85,26.9 429.75,26.8
  pour Top (rank 6): 396.2,51 396.2,28 arc34 433,19 433.5,19 433.5,51
GND6  (via drill 0.3)  (433 unrouted)
  Top 0.15: IC124.3 352.3,108.65 352.25,108.6 IC124.2 | v351.3,107.5 IC124.PAD v351.3,108.5
  Top 0.2: 352.3,108.65 352.95,108.65 v353.05,108.75
  Top 0.3: S133.1 363.95,124.95 S133.A1 | S129.A1 351.45,124.95 S129.1 v353,125 | S130.A1 351.45,112 351.7,111.75 v353,111.75 S130.1 | S138.1 376.45,112.45 S138.A1 | S137.1 385.55,128.05 S137.A1 | 376.45,149.5 376.45,149.95 S135.1 v379.5,151.5 | 376.45,149.5 S135.A1 | S131.A1 363.95,149.95 S131.1 366,152 v367,152 | S127.A1 351.45,149.95 S127.1 354.25,151.5 v354.5,151.25 | S128.A1 351.45,137.45 S128.1 v354.5,139 | 363.95,137 363.95,137.45 S132.1 v364.05,139 | 363.95,137 S132.A1 | S127.A2 360.55,150.8 v360.75,151 | 376.2,149.25 376.45,149.5 | S136.A2 v381,136.75 | v379.5,139 S136.1 376.45,137.45 S136.A1 S132.A2 | 360.5,124.3 S129.A2 358.5,124.25 v358,124.75 | S133.1 365,127 | S138.A2 385.5,111.75 385.5,111.25 v386.25,110.5 | S134.A2 S138.A1 | v367,114 S134.1 363.95,112.45 S134.A1 S130.A2 | S128.A2 363.7,136.75 363.95,137 | S143.1 353.49,167.01 v353,167.5 | LED39.C v328.02,171.75 LED40.C | LED37.3 317.95,176 v316.75,176 | S135.A2 381.91,149.25 arc-45 381.21,149.54 v381,149.75 | 283.61,144.39 S140.A1 282.5,143.26 v282.5,143 281.62,143.88 S140.1 | S140.A2 277.57,151.21 arc-45 278.28,151.5 v278.5,151.5 | S138.A1 v378,111.75 | S131.A2 373.05,148.7 v374,147.75 | S133.1 365.25,126.75 v364,126.75 | S133.A2 373.5,123.8 v373.5,123 | S141.A2 v284.25,154.5 | S141.1 293.35,152.55 S141.A1 v293.35,154.5 | S142.1 294.5,164.72 v294.5,163.75 | S139.A1 296.81,141.19 v296,142 296.68,142.68 S139.1 | v302.5,146.5 303.61,147.61 S139.A2 | LED38.3 333.05,175.36 arc45 333.34,174.66 v333.4,174.6 | S137.A2 377.5,129.8 v377.5,130 | S137.A1 385.55,127.95 v386,127.5 | S137.A1 385.54,128.76 J69.G@4